# Allegro board BeagleBone_Green_v1.brd (continued)
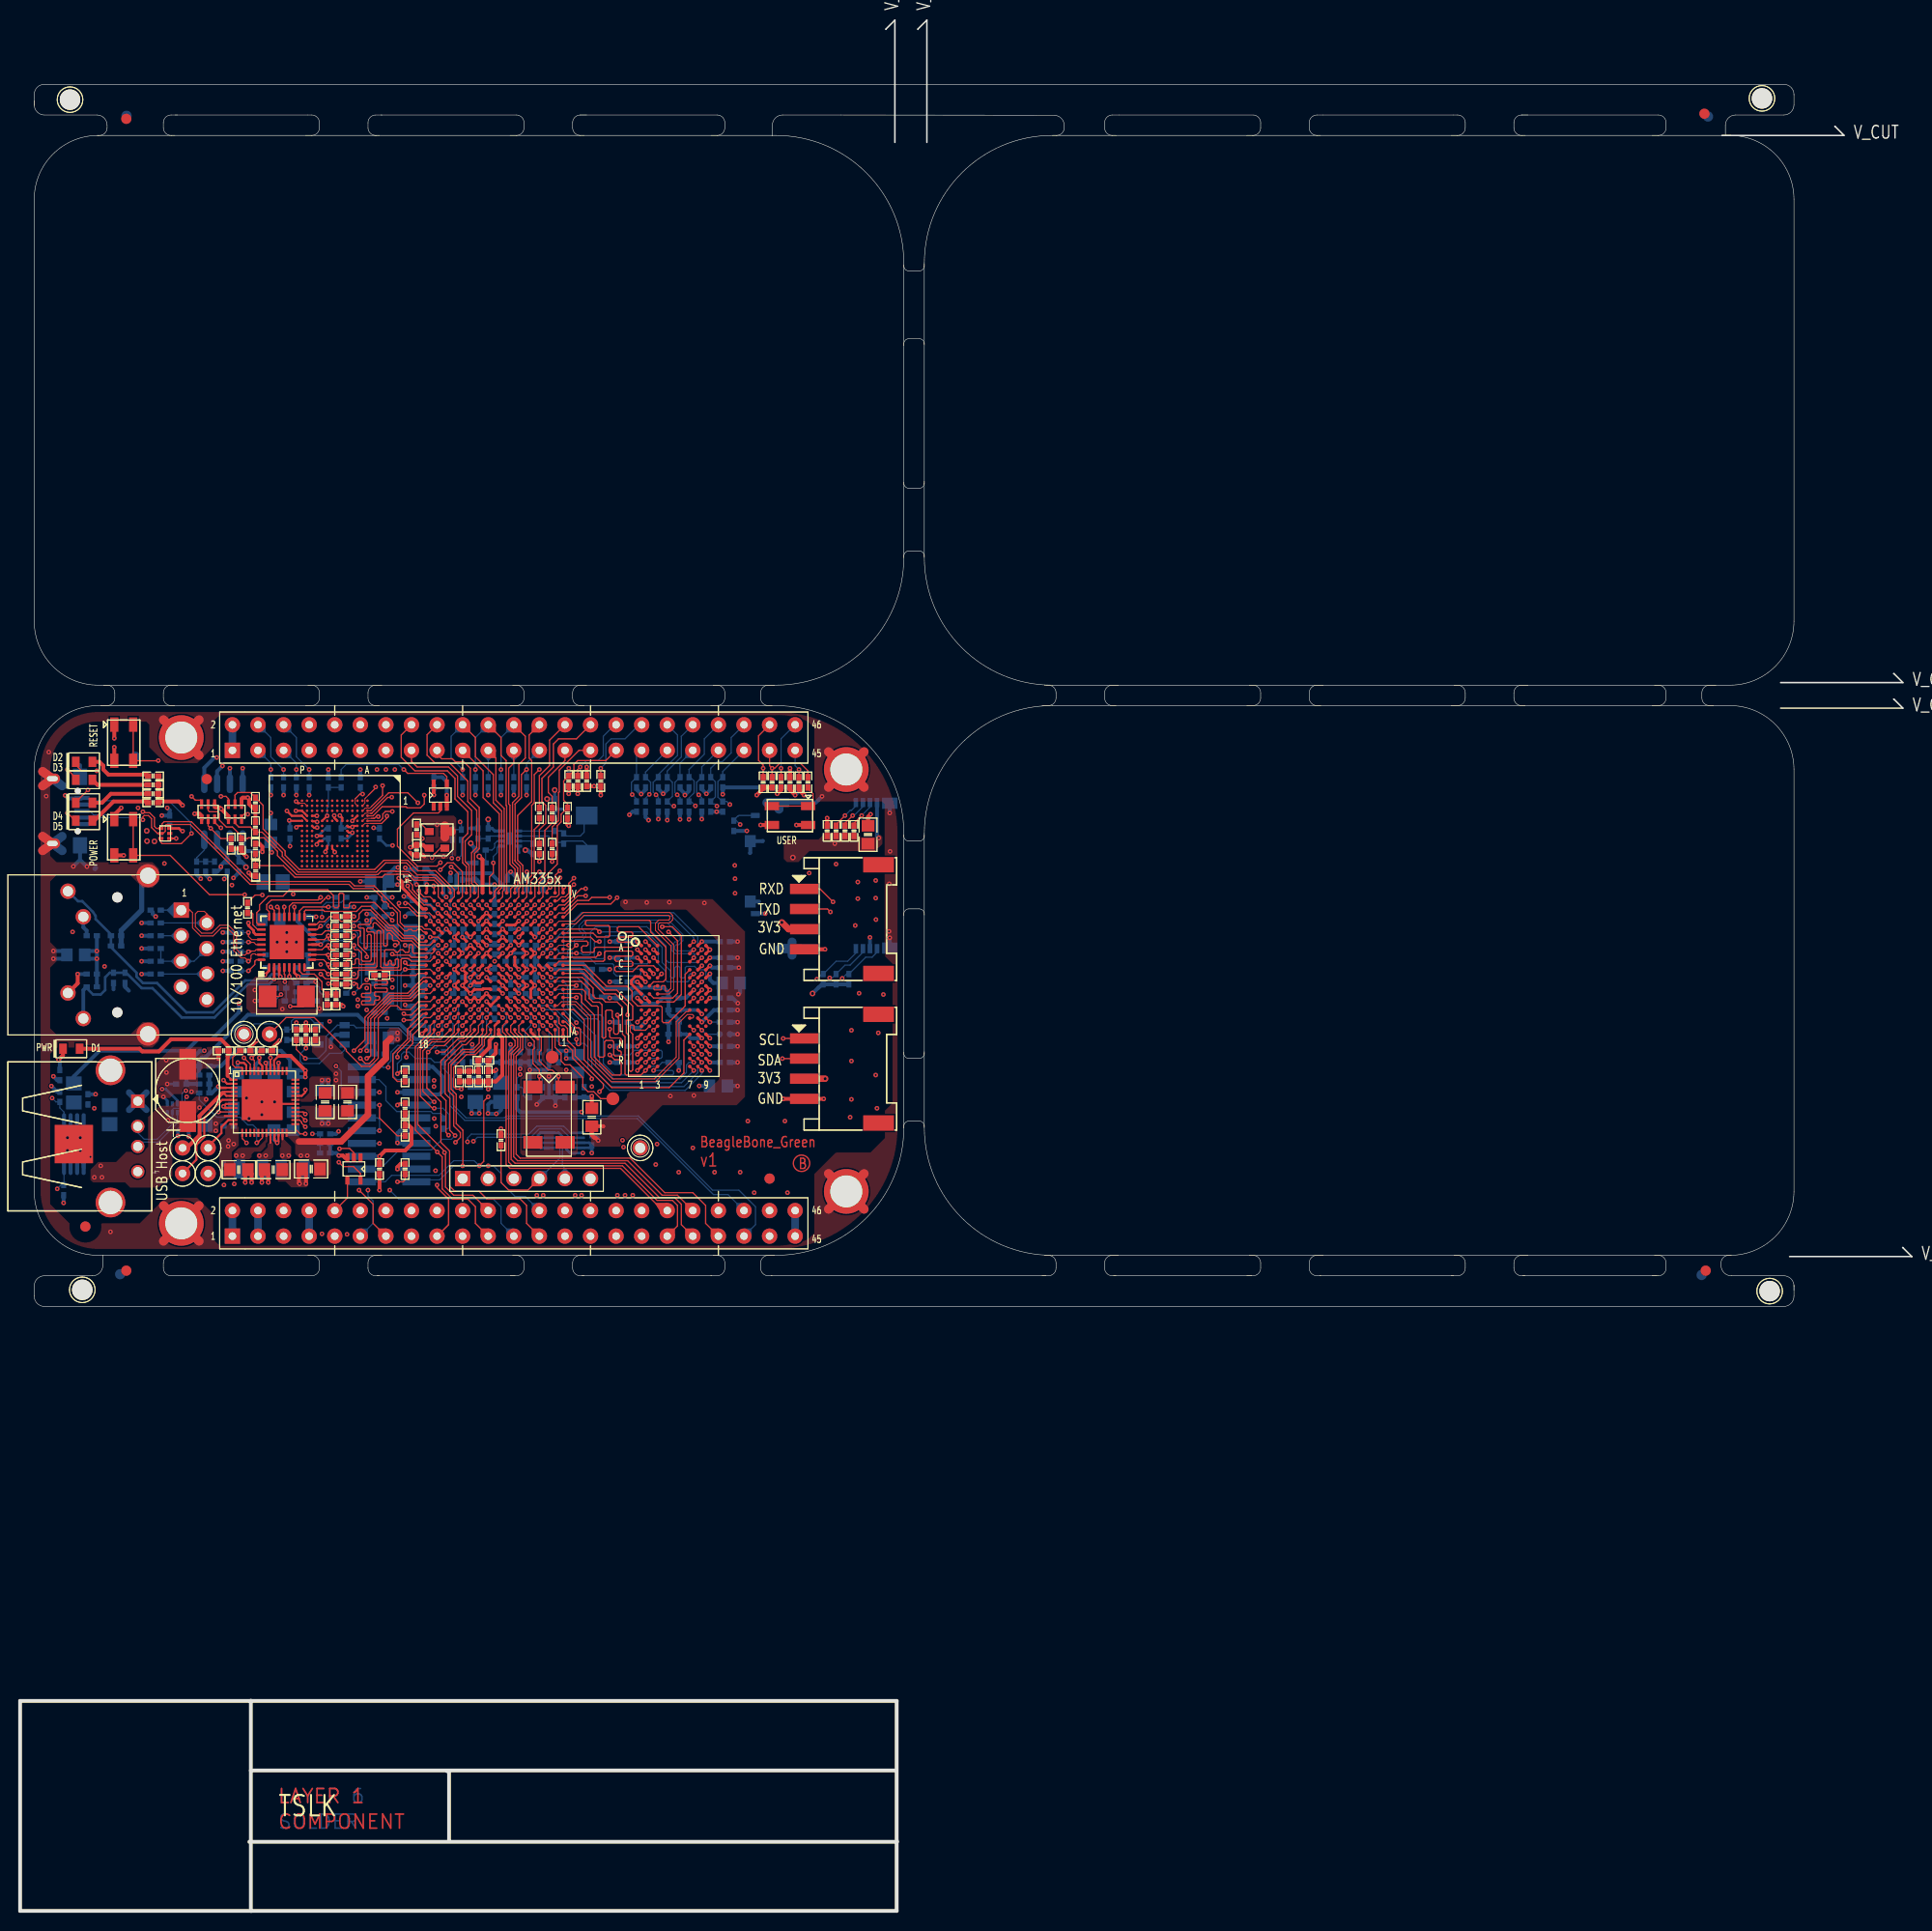
[diagram p0: board, top side]
## Routing (per net, layer and track width the routed paths; a pad name or vN(x,y) marks a point on that pad's centre or on a via; arc(x,y) is an arc through that point) (continued)
DDR_DQS0: length 23.3
  TOP w0.095: U5.P1 54.02,98.04 55.15,98.04 56.02,98.91 64.39,98.91 64.52,98.78 64.52,98.56 64.39,98.43 63.4,98.43 63.09,98.11 63.09,97.4 64.62,95.87 64.62,91.66 64.33,91.37 64.15,91.37 64.07,91.45 64.07,91.85 64,91.93 63.77,91.93 63.69,91.85 63.69,91.57 63.61,91.49 63.02,91.49 62.94,91.57 62.94,91.81 63.02,91.89 U12.F3
DDR_DQS1: length 20.3
  TOP w0.095: U5.L1 54.84,95.54 v1(55.24,95.94)
  TOP w0.121: v1(66.9,94.69) U12.C7
  BOTTOM w0.095: v1(66.9,94.69) 66.94,94.69 67.01,94.77 67.01,95.02 66.94,95.1 65.04,95.1 64.74,95.39 64.74,95.98 65.04,96.27 65.3,96.27 65.53,96.49 65.53,96.88 64.26,98.15 56.15,98.15 55.78,97.78 55.78,97.55 56.16,97.17 56.16,96.79 55.87,96.49 55.14,96.49 55.02,96.37 55.02,96.16 v1(55.24,95.94)
DDR_DQSN0: length 23.3
  TOP w0.095: U12.G3 64.45,91.09 64.9,91.54 64.9,95.99 63.37,97.52 63.37,98 63.52,98.15 64.5,98.15 64.8,98.44 64.8,98.9 64.5,99.19 55.91,99.19 55.04,98.32 53.5,98.32 U5.P2
DDR_DQSN1: length 20.3
  TOP w0.095: v1(54.48,95.94) 53.52,95.94 U5.L2
  TOP w0.121: v1(66.9,95.49) U12.B7
  BOTTOM w0.095: v1(66.9,95.49) 66.78,95.38 65.15,95.38 65.02,95.5 65.02,95.86 65.15,95.99 65.42,95.99 65.81,96.38 65.81,96.99 64.37,98.43 56.04,98.43 55.5,97.89 55.5,97.43 55.88,97.05 55.88,96.9 55.75,96.77 55.03,96.77 54.74,96.48 54.74,96.19 v1(54.48,95.94)
DDR_ODT: length 24.1
  TOP w0.121: v1(61.3,88.29) U12.K1 ; U5.G1 55.08,92.34 55.72,92.34 56.52,91.54 56.52,90.65 56.9,90.27 57.53,90.27 57.78,90.02 57.78,86.82 57.89,86.72 58.04,86.72 58.15,86.82 58.15,89.38 58.26,89.49 58.69,89.49 58.8,89.38 58.8,88.75 58.95,88.6 58.95,87.22 59.07,87.1 59.31,87.1 59.44,87.22 59.44,88.87 v1(59.31,89)
  LYR3 w0.133: v1(59.31,89) 59.31,89.51 59.05,89.76 59.05,90.14 59.18,90.27 59.56,90.27 59.82,90.02 59.82,88.62 59.69,88.49 59.44,88.49 59.31,88.37 59.31,88.11 59.44,87.99 60.32,87.99 60.63,88.29 v1(61.3,88.29)
DDR_RASN: length 24
  TOP w0.121: U5.G4 v1(51.92,91.94) ; v1(62.9,89.09) U12.J3
  LYR3 w0.121: 52.73,89.89 52.57,89.89 52.32,90.14 52.32,90.53 52.11,90.74 51.73,90.74 51.52,90.95 51.52,91.54 v1(51.92,91.94)
  LYR3 w0.133: 52.73,89.89 55.63,89.89 56.13,90.4 56.13,91.03 55.64,91.53 54.86,91.53 54.74,91.66 54.74,92.56 54.86,92.68 56.39,92.68 57.89,91.18 59.16,91.18 60.82,89.52 62.75,89.52 62.99,89.76 63.5,89.76 64.24,89.03 64.24,88.85 64.09,88.7 63.91,88.7 63.52,89.09 v1(62.9,89.09)
DDR_RESETN: length 20.7
  TOP w0.121: U12.T2 v1(62.1,83.49) 61.64,83.03 60.2,83.03 60.07,83.16 60.07,86.84 59.82,87.1 59.82,89.76 59.29,90.29 58.15,90.29 57.78,90.65 57.15,90.65 56.9,90.91 56.9,91.67 55.83,92.74 53.52,92.74 U5.G2
  BOTTOM w0.121: v1(62.1,83.49) U12.T2 63.35,83.89 63.75,84.29 R97.2
DDR_VREF: length 27.1
  TOP w0.305: v1(61.3,90.69) U12.H1 ; v1(51.92,93.54) U5.J4 ; v1(67.7,86.69) U12.M8
  BOTTOM w0.381: R98.2 63.79,90.69 63.22,90.12 61.87,90.12 v1(61.3,90.69) ; R98.2 C123.1 64.39,89.13 64.62,88.89 64.85,88.89 64.86,88.89 65.02,88.89 65.41,88.51 R100.1 C124.1 66.17,87.09 66.57,86.69 v1(67.7,86.69) ; R98.2 64.39,91.24 63.91,91.72 61.74,91.72 61.73,91.73 60.87,91.73 60.76,91.62 57.71,91.62 56.77,92.56 C28.1 56.43,93.54 55.88,94.08 52.46,94.08 v1(51.92,93.54)
DDR_VTP: length 6.7
  TOP w0.305: v1(52.72,93.54) U5.J3
  BOTTOM w0.381: v1(52.72,93.54) 55.54,93.54 56.26,92.81 56.26,91.29 R22.2
DDR_WEN: length 23.9
  TOP w0.121: v1(62.9,87.49) U12.L3 ; v1(56.77,82.65) 56.77,82.8 54.86,84.71 54.86,85.45 54.36,85.95 53.64,85.95 53.51,86.08 53.51,87.7 53.12,88.1 U5.B2
  LYR3 w0.133: v1(62.9,87.49) 63.27,87.86 63.88,87.86 64.9,86.84 64.9,86.08 64.52,85.7 64.52,82.4 63.63,81.51 58.17,81.51 57.03,82.65 56.78,82.65 v1(56.77,82.65)
EHRPWM1A: length 42.1
  TOP w0.121: U5.U14 43.92,100.74 43.92,103.23 43.03,104.11 42.42,104.11 v1(41.73,103.43)
  LYR4 w0.133: v1(41.73,103.43) 41.73,101.78 38.63,98.68 38.63,93.37 37.46,92.19 37.46,91.41 36.95,90.91 36.95,88.37 36.82,88.24 36.82,84.18 36.96,84.05 36.96,74.9 36.3,74.24 36.3,69.6 P9.14
EHRPWM1B: length 36.3
  TOP w0.121: v1(43.12,99.94) U5.T14
  LYR4 w0.133: v1(43.12,99.94) 43.12,100.49 42.48,101.12 42.04,101.12 39.37,98.45 39.37,92.3 37.69,90.63 37.69,88.01 37.88,87.82 37.88,84.52 38.35,84.05 38.35,70.08 P9.16
EHRPWM2A: length 16.8
  TOP w0.121: P8.19 45.97,113.26 45.97,110.59 47.57,108.99 47.57,101.75 47.36,101.53 47.35,101.53 47.12,101.3 47.12,101.2 47.12,101.19 47.12,100.74 U5.U10
EHRPWM2B: length 28.2
  TOP w0.121: v1(46.32,99.94) U5.T10
  LYR3 w0.133: v1(46.32,99.94) 45.78,100.48 45.78,103.68 44.98,104.47 44.98,104.78 44.1,105.67 44.1,106.18 44.7,106.78 44.7,108.18 43.69,109.19 40,109.19 38.66,107.85 35.85,107.85 34.9,108.8 34.9,113.87 P8.13
EMMC_RSTN: length 4.8
  TOP w0.203: U13.K5 v1(30.49,108.79)
  BOTTOM w0.121: R162.2 R111.2 30.61,109.69 30.49,109.58 v1(30.49,108.79)
EMMC_VCCI: length 2.5
  TOP w0.076: 33.27,110.47 33.24,110.45 33.24,110.03 U13.C2
  TOP w0.121: v1(34.01,110.95) 33.74,110.95 33.27,110.47
  BOTTOM w0.121: v1(34.01,110.95) 34.01,111.02 33.78,111.25 C125.1
ENZ_KALDO_1P8V: length 3.4
  TOP w0.121: U5.B4 v1(51.92,87.93)
  BOTTOM w0.121: R54.2 52.51,87.34 v1(51.92,87.93)
ETH_TXD4: length 4.4
  TOP w0.121: U14.18 27.73,99.33 28.13,99.73 v1(30.61,99.73)
  BOTTOM w0.121: R145.1 v1(30.61,99.73)
GPIO0_7: length 45.9
  TOP w0.121: R50.1 37.72,83.41 v1(37.46,83.16)
  BOTTOM w0.121: v1(37.46,83.16) 37.46,84.18 37.86,84.58 37.86,85.08 38.1,85.32 38.61,85.32 39.24,84.68 40.77,84.68 41.15,84.3 R51.1 42.04,83.67 42.67,83.03 42.67,80.01 44.15,78.53 48.2,78.53 48.39,78.71 61.29,78.71 68.85,71.16 70.29,71.16 P9.42
GPIO0_7SRC: length 9.2
  TOP w0.121: U5.C18 40.01,89.14 38.48,87.6 38.48,86.59 37.01,85.12 37.01,82.85 37.46,82.4 R50.2
GPIO0_26: length 30.5
  TOP w0.121: v1(45.52,99.94) U5.T11
  LYR3 w0.133: P8.14 35.05,116.56 35.05,115.21 34.66,114.82 34.66,108.9 34.66,108.7 35.75,107.61 38.76,107.61 39.96,108.81 43.69,108.81 44.45,108.05 44.45,107.04 43.81,106.39 43.81,105.63 44.63,104.81 44.63,104.44 45.52,103.56 v1(45.52,99.94)
GPIO0_27: length 18.3
  TOP w0.121: P8.17 41.4,114.91 41.86,114.45 42.93,114.45 43.23,114.15 44.07,114.15 44.7,113.51 44.7,110.5 45.59,109.61 45.59,105.51 45.12,105.04 45.12,102.24 45.51,101.84 45.51,100.73 U5.U12
GPIO1_12: length 30.2
  TOP w0.121: v1(44.72,99.94) U5.T12
  LYR3 w0.133: P8.12 32.83,116.87 32.83,109.67 33.66,108.84 33.66,108.14 34.84,106.95 35.37,106.95 35.55,107.13 39.12,107.13 40.29,108.31 42.55,108.31 43.28,107.57 43.28,105.49 43.89,104.88 43.89,104.09 44.72,103.26 v1(44.72,99.94)
GPIO1_13: length 28.5
  TOP w0.121: v1(44.72,99.14) U5.R12
  LYR3 w0.121: v1(44.72,99.14) 45.16,99.58 45.16,99.73 45.12,99.77 45.12,100.1 45.16,100.15 45.16,103.4
  LYR3 w0.133: 45.16,103.4 44.37,104.19 44.37,104.73 43.56,105.54 43.56,107.67 42.67,108.56 40.13,108.56 38.94,107.37 35.45,107.37 35.27,107.19 34.93,107.19 34.09,108.04 34.09,108.92 33.38,109.63 33.38,114.88 P8.11
GPIO1_14: length 22.1
  TOP w0.121: P8.16 37.85,116.81 37.85,114.6 39.19,113.26 42.42,113.26 43.18,112.5 43.18,110.46 44.45,109.19 44.45,107.04 43.94,106.53 43.94,104.11 44.32,103.74 44.32,101.48 U5.V13
GPIO1_15: length 19.9
  TOP w0.121: U5.U13 44.72,100.74 44.72,100.9 44.72,101.69 44.58,101.83 44.58,103.86 44.2,104.24 44.2,106.27 44.83,106.91 44.83,109.32 43.43,110.72 43.43,112.75 42.55,113.63 39.43,113.63 38.86,114.2 P8.15
GPIO1_16: length 55
  LYR4 w0.133: v1(43.69,108.18) 43.43,108.43 40.64,108.43 37.59,105.38 37.59,104.88 34.92,102.21 34.92,89.2 32.64,86.92 32.64,84.58 33.15,84.07 33.15,72.49 32.64,71.98 32.64,69.19 33.66,68.17 37.72,68.17 P9.15
  BOTTOM w0.133: R161.2 R160.2 43.81,108.05 v1(43.69,108.18)
GPIO1_17: length 53.4
  TOP w0.121: U5.V14 43.52,103.04 42.85,103.71 v1(42.8,103.71)
  LYR4 w0.133: v1(36.7,71.6) 36.7,73.94 37.87,75.11 37.87,83.62 37.06,84.43 37.06,88.09 37.21,88.24 37.21,90.8 37.69,91.29 37.69,92.1 39.1,93.5 39.1,98.69 42.09,101.68 42.09,103.04 42.76,103.71 v1(42.8,103.71)
  BOTTOM w0.121: v1(36.7,71.6) 37.59,70.71 46.99,70.71 47.75,69.95 47.75,68.3 P9.23
GPIO1_28: length 38.6
  TOP w0.121: U5.U18 40.05,100.34 39.16,101.23 39.16,101.27 38.97,101.46 38.97,101.9 38.41,102.46 v1(38.4,102.46)
  LYR4 w0.133: P9.12 33.78,70.71 34.06,70.99 34.06,81.53 35.43,82.91 35.43,88.37 35.69,88.62 35.69,100.69 36.54,101.54 37.71,101.54 37.92,101.75 37.92,102.03 38.35,102.46 v1(38.4,102.46)
GPIO1_29: length 18
  TOP w0.121: U5.V6 49.92,103.85 49.4,104.37 49.4,108.81 50.8,110.21 50.8,114.27 50.55,114.53 50.55,116.81 P8.26
GPIO2_1: length 20.3
  TOP w0.121: P8.18 40.41,116.84 40.41,114.81 41.15,114.07 42.62,114.07 44.45,112.24 44.45,110.21 45.34,109.32 45.34,105.64 44.83,105.13 44.83,102.08 45.12,101.8 U5.V12
GPIO3_18: length 5.9
  TOP w0.121: U5.B12 44.71,87.93 44.71,87.36 44,86.64 43.49,86.64 42.16,85.32 v1(41.4,85.32)
  BOTTOM w0.121: v1(41.4,85.32) R51.2
GPIO3_19: length 28.2
  TOP w0.121: v1(43.92,88.73) U5.C13
  LYR4 w0.133: P9.27 52.96,68.17 50.93,68.17 50.16,68.94 50.16,70.05 47.88,72.34 47.88,74.22 46.58,75.51 46.58,76.86 44.32,79.12 44.32,81.94 43.78,82.49 43.78,86.27 43.25,86.8 43.25,88.07 v1(43.92,88.73)
GPIO3_20: length 5.9
  TOP w0.121: U5.D13 v1(43.92,90.34)
  BOTTOM w0.121: v1(43.92,90.34) 43.52,89.94 43.52,86.51 43.94,86.08 R20.2
GPIO3_21: length 58.4
  TOP w0.121: U5.A14 43.52,87.34 42.13,85.95 41.15,85.95 v1(40.51,85.32) 40.39,85.19 40.39,81.76 41.78,80.37 41.78,76.35 42.65,75.49 42.65,72.01 43.18,71.48 45.59,71.48 46.33,70.74 49.63,70.74 50.29,70.08 50.29,68.3 P9.25 ; 39.37,106.91 39.75,106.53 v1(39.95,106.53)
  LYR3 w0.133: v1(36.45,88.67) 36.45,86.72 37.08,86.08 39.37,86.08 40.13,85.32 v1(40.51,85.32)
  LYR4 w0.133: v1(39.95,106.53) 39.88,106.46 39.88,101.7 40.13,101.45 40.13,100.94 38.73,99.54 36.7,99.54 36.45,99.29 v1(36.45,88.67)
GRN_C: length 2
  BOTTOM w0.381: P5.10 6.27,97.71 6.6,97.38 R132.2
GRNA: length 30
  TOP w0.121: 25.73,92.93 v1(25.84,92.81)
  TOP w0.254: U14.3 25.73,92.93
  BOTTOM w0.254: P5.9 5.74,100.3 6.16,100.3 7.23,99.24 7.49,98.84 7.49,98.53 9.02,97 C163.1 C165.1 9.02,95.73 11.56,93.19 11.56,92.81 12.19,92.18 13.59,92.18 16.51,89.26 19.18,89.26 22.35,92.43 24.51,92.43 24.77,92.69 24.77,92.82 25.02,93.07 25.59,93.07 v1(25.84,92.81)
HDMI_INT: length 22.1
  TOP w0.121: R169.1 23.37,103.86 R170.1 26.14,103.84 27.28,102.69 35.94,102.69 36.22,102.97 37.41,102.97 37.43,102.99 37.76,102.99 37.78,102.97 38.51,102.97 39.09,102.39 41.1,102.39 41.52,101.96 41.52,100.73 U5.U16
HDMICLK_DISN: length 5.3
  TOP w0.121: v1(40.89,104.62) 40.89,104.75 41.14,105 41.16,105 41.74,105.58 Y4.1 ; v1(41.05,101.83) 41.12,101.76 U5.V17
  LYR3 w0.133: v1(41.05,101.83) 40.89,101.98 v1(40.89,104.62)
I2C0_SCL: length 27.9
  TOP w0.121: v1(28.32,79.16) 28.11,79.37 U2.28 ; R3.2 27.43,85.57 v1(28.32,84.68) ; v1(41.52,88.73) U5.C16
  LYR4 w0.133: v1(28.32,79.16) 28.96,79.79 28.96,84.05 v1(28.32,84.68)
  BOTTOM w0.121: v1(28.32,84.68) 29.59,84.68 30.38,85.47 30.38,86.87 31.5,87.99 U7.1 33.12,87.99 33.38,87.73 37.57,87.73 39.07,86.23 40.53,86.23 41.12,86.81 41.12,88.34 v1(41.52,88.73)
I2C0_SDA: length 33.2
  TOP w0.121: U5.C17 40.72,88.74 40.12,88.74 38.73,87.35 38.73,86.54 38.73,86.53 38.73,86.49 37.46,85.22 v1(37.46,84.81) ; U2.27 27.88,78.97 v1(28.32,78.52) ; R4.2 v1(28.38,85.7)
  LYR3 w0.133: v1(37.46,84.81) 36.2,84.81 34.67,86.33 29.02,86.33 v1(28.38,85.7)
  LYR4 w0.133: v1(28.38,85.7) 29.21,84.87 29.21,79.41 v1(28.32,78.52)
  BOTTOM w0.121: v1(28.38,85.7) 27.81,85.13 27.81,84.43 28.07,84.18 29.72,84.18 30.73,85.19 31.88,85.19 32.22,85.53 U7.3
I2C1_SCL: length 25.2
  TOP w0.121: U5.A16 v1(41.52,87.13)
  TOP w0.133: v1(41.4,72.11) 41.4,71.86 42.55,70.71 42.55,68.17 P9.17
  LYR4 w0.133: v1(41.4,72.11) 44.7,75.41 44.87,75.41 45.65,76.19 45.65,76.8 43.27,79.18 43.27,79.98 42.63,80.62 42.63,85.87 41.52,86.98 v1(41.52,87.13)
I2C1_SDA: length 23.1
  TOP w0.121: U5.B16 v1(41.52,87.93)
  LYR4 w0.133: v1(41.52,87.93) 41.11,87.53 41.11,86.95 42.39,85.67 42.39,80.52 43.03,79.88 43.03,79.08 45.41,76.7 45.41,76.29 44.8,75.67 44.38,75.67 41,72.28 41,69.98 P9.18
I2C2_SCL: length 73.5
  TOP w0.121: U5.D17 40.72,89.54 39.9,89.54 38.86,88.49 v1(38.1,88.49) ; J4.1 v1(75.77,86.67)
  LYR3 w0.133: v1(75.77,86.67) 75.18,86.08 75.18,83.98 69.69,78.49 57.66,78.49 54.71,75.54 49,75.54 45.82,78.71 v1(41.12,78.71)
  LYR4 w0.133: v1(38.1,88.49) 38.5,88.09 38.5,85.83 38.86,85.47 38.86,80.98 v1(41.12,78.71) 40.02,77.62 40.02,68.97 40.82,68.17 42.8,68.17 P9.19
I2C2_SDA: length 71.1
  TOP w0.121: U5.D18 39.8,89.94 38.86,89 38.23,89 v1(38.1,89.13) ; J4.2 v1(75.69,84.67)
  LYR3 w0.133: v1(75.69,84.67) 75.69,84.16 69.74,78.21 57.78,78.21 54.88,75.3 48.83,75.3 45.92,78.21 41.53,78.21 v1(41.27,77.95)
  LYR4 w0.133: v1(38.1,89.13) 38.73,88.49 38.73,86.06 39.14,85.65 39.14,81.14 41.06,79.22 41.19,79.22 41.55,78.86 41.55,78.22 v1(41.27,77.95) 40.26,76.94 40.26,69.06 40.77,68.55 42.93,68.55 P9.20
JTAG_EMU0: length 23.6
  TOP w0.121: v1(35.69,80.05) 35.69,78.77 37.45,77 R23.2 ; v1(43.12,88.73) U5.C14
  LYR3 w0.133: v1(35.69,80.05) 36.26,80.62 39.75,80.62 40,80.87 v1(43.81,80.87)
  LYR4 w0.133: v1(43.81,80.87) 43.37,81.32 43.37,86.22 43.36,86.24 43.36,86.31 42.99,86.68 42.99,88.24 43.12,88.36 v1(43.12,88.73)
  BOTTOM w0.121: P2.13 v1(35.69,80.05)
JTAG_EMU1: length 15.3
  TOP w0.121: U5.B14 43.12,87.94 43.12,87.29 42.16,86.33 40.89,86.33 39.99,85.43 39.99,81.43 41.05,80.37 v1(41.12,80.37) ; v1(37.46,80.05) 37.66,80.24 R24.2
  BOTTOM w0.121: v1(37.46,80.05) P2.14 40.58,80.05 40.89,80.37 v1(41.12,80.37)
JTAG_TCK: length 24.1
  TOP w0.121: U5.A12 45.12,87.38 44.8,87.07 44.8,87.07 44.13,86.39 43.75,86.39 41.78,84.43 41.78,81 42.29,80.49 42.29,77.32 v1(42.55,77.06)
  LYR3 w0.133: v1(35.69,77.51) 42.1,77.51 v1(42.55,77.06)
  BOTTOM w0.121: P2.9 v1(35.69,77.51) 35.69,78.59 35.5,78.78 P2.11
JTAG_TDI: length 24.1
  TOP w0.121: v1(43.19,77.03) 42.67,77.55 42.67,80.71 42.2,81.19 42.2,84.34 43.91,86.05 44.27,86.05 45.52,87.29 45.52,87.94 U5.B11
  BOTTOM w0.121: v1(43.19,77.03) 42.81,76.65 41.9,76.65 40.86,75.6 37.66,75.6 35.75,73.7 P2.3
JTAG_TDO: length 23.7
  TOP w0.121: U5.A11 45.92,87.17 45.59,86.84 45.59,86.21 44.96,85.57 43.94,85.57 43.94,85.57 42.55,84.18 42.55,81.44 43.05,80.94 43.05,77.98 43.71,77.32 43.71,76.84 v1(43.23,76.35)
  LYR3 w0.133: v1(43.23,76.35) 42.21,76.35 41.58,76.99 36.44,76.99 v1(35.69,76.24)
  BOTTOM w0.121: P2.7 v1(35.69,76.24)
JTAG_TMS: length 28.8
  TOP w0.121: v1(45.59,74.02) 46.04,74.46 46.04,80.43 v1(46.48,80.87) ; U5.C11 v1(45.52,88.73)
  LYR4 w0.133: v1(45.52,88.73) 45.52,87 45.78,86.73 45.78,81.57 v1(46.48,80.87)
  BOTTOM w0.121: P2.1 36.26,72.43 36.89,73.06 41.59,73.06 43.05,74.52 45.09,74.52 v1(45.59,74.02)
JTAG_TRSTN: length 25.6
  TOP w0.121: R25.1 38.23,72.62 38.04,72.43 v1(37.46,72.43) ; U5.B10 46.32,87.94 46.32,87.19 45.85,86.72 45.85,86.08 45.09,85.32 44.07,85.32 42.8,84.05 42.8,81.64 43.31,81.13 43.31,78.21 43.97,77.55 43.97,74.04 v1(43.94,74.02)
  BOTTOM w0.121: v1(43.94,74.02) 43.05,74.02 41.66,72.62 40.51,72.62 40.32,72.43 P2.2 v1(37.46,72.43)
LCD_DATA0: length 33.1
  TOP w0.121: R95.1 v1(77.34,113.39) ; U5.R1 54.03,98.74 55.32,100.03 58.65,100.03 v1(59.28,100.66)
  LYR3 w0.133: v1(77.34,113.39) 75.82,111.86 75.31,111.86 72.11,108.66 71.66,108.66 68.23,105.23 63.85,105.23 v1(59.28,100.66)
  BOTTOM w0.121: R95.1 v1(77.34,113.39) 76.96,113.77 P8.45
LCD_DATA1: length 35.7
  TOP w0.121: R94.1 v1(75.57,113.51) ; U5.R2 53.12,98.75 53.5,99.14 54.08,99.14 54.08,99.14 54.31,99.37 54.31,99.37 55.32,100.38 56.46,100.38 56.77,100.69 v1(58.55,100.69)
  LYR3 w0.133: v1(58.55,100.69) 63.51,105.65 68.32,105.65 72.59,109.92 72.81,109.92 75.57,112.68 v1(75.57,113.51)
  BOTTOM w0.121: R94.1 v1(75.57,113.51) 75.57,116.43 P8.46
LCD_DATA2: length 37
  TOP w0.121: R75.1 78.23,113.26 77.47,114.02 75.44,114.02 74.93,113.51 v1(74.68,113.51) ; v1(74.68,113.51) 74.42,113.77 P8.43 ; v1(74.68,113.51) R93.1 ; v1(52.72,99.14) U5.R3
  LYR3 w0.133: v1(74.68,113.51) 72.59,111.43 72.59,111.11 67.51,106.02 63.25,106.02 57.35,100.13 53.84,100.13 52.99,99.28 52.98,99.28 52.83,99.14 v1(52.72,99.14)
  BOTTOM w0.121: R93.1 v1(74.68,113.51)
LCD_DATA3: length 35.6
  TOP w0.121: R92.1 v1(73.79,113.51) 73.79,113.83 73.33,114.29 73.33,116.74 P8.44 ; v1(51.92,99.14) U5.R4
  LYR3 w0.133: v1(51.92,99.14) 52.32,99.54 52.88,99.54 53.75,100.41 57.3,100.41 63.17,106.27 67.43,106.27 71.95,110.79 71.95,111.67 v1(73.79,113.51)
  BOTTOM w0.121: R92.1 v1(73.79,113.51)
LCD_DATA4: length 28.1
  TOP w0.121: U5.T1 54.07,99.54 55.37,100.84 v1(56.16,100.84)
  LYR3 w0.133: v1(56.16,100.84) 57.3,100.84 63.12,106.65 67.23,106.65 v1(70.48,109.91)
  BOTTOM w0.121: v1(70.48,109.91) 70.18,110.21 R91.1 69.72,110.21 69.29,110.64 69.29,112.19 69.72,112.62 R66.2 69.77,113.18 P8.41
LCD_DATA5: length 31.1
  TOP w0.121: U5.T2 53.51,99.93 54.09,99.93 55.7,101.55 v1(56.16,101.55)
  LYR3 w0.133: v1(69.19,109.75) 69.15,109.75 68.61,109.21 68.61,108.8 66.72,106.91 62.99,106.91 57.63,101.55 v1(56.16,101.55)
  BOTTOM w0.121: v1(69.19,109.75) 68.99,109.96 68.71,109.96 68.58,110.08 R90.1 69.04,110.67 69.04,112.17 R65.2 68.58,113.51 69.22,114.15 69.72,114.15 70.61,115.04 70.61,116.56 P8.42
LCD_DATA6: length 27.3
  TOP w0.121: v1(52.68,99.95) 52.68,99.9 U5.T3
  LYR3 w0.133: v1(52.68,99.95) 53.59,100.86 54.91,100.86 55.75,101.7 55.75,101.72 55.99,101.96 57.66,101.96 62.99,107.29 65.85,107.29 67.46,108.9 67.46,110.8 v1(67.39,110.87)
  BOTTOM w0.121: P8.39 67.69,113.64 R64.2 67.18,112.12 67.18,111.07 v1(67.39,110.87) 67.69,110.57 R89.1
LCD_DATA7: length 30.3
  TOP w0.121: v1(51.92,99.94) U5.T4
  LYR3 w0.133: v1(67.06,109.78) 65.94,108.66 65.94,107.95 65.53,107.54 62.87,107.54 57.59,102.27 55.94,102.27 54.86,101.19 53.17,101.19 v1(51.92,99.94)
  BOTTOM w0.121: v1(67.06,109.78) 66.62,110.21 R88.1 66.42,110.57 66.93,111.07 66.93,112.24 66.55,112.62 R63.2 66.42,113.39 67.95,114.91 67.95,116.43 P8.40
LCD_DATA8: length 23.7
  TOP w0.121: v1(54.99,101.96) 54.74,101.7 54.74,100.97 54.11,100.34 U5.U1
  LYR3 w0.133: v1(65.25,110.87) 65.33,110.8 65.33,109.59 65.02,109.28 65.02,108.05 64.77,107.8 62.74,107.8 57.48,102.54 55.88,102.54 55.29,101.96 v1(54.99,101.96)
  BOTTOM w0.121: P8.37 65.53,114.02 R62.2 65.02,112.12 65.02,111.1 v1(65.25,110.87) 65.53,110.59 R87.1
LCD_DATA9: length 26.9
  TOP w0.121: U5.U2 53.36,100.34 53.75,100.73 54.12,100.73 54.48,101.09 54.48,102.08 v1(54.99,102.59)
  LYR3 w0.133: v1(64.92,109.75) 64.4,109.23 62.71,109.23 62,108.52 62,107.44 57.4,102.84 55.63,102.84 55.37,102.59 v1(54.99,102.59)
  BOTTOM w0.121: P8.38 65.66,116.69 65.66,114.63 64.26,113.23 R61.2 64.77,112.12 64.77,110.72 R86.1 64.72,109.75 v1(64.92,109.75)
LCD_DATA10: length 26.5
  TOP w0.121: U5.U3 52.72,100.74 53.28,100.74 53.51,100.97 53.51,102.54 v1(53.62,102.64)
  LYR3 w0.133: v1(63.14,110.87) 61.72,109.45 61.72,107.54 57.29,103.11 54.09,103.11 v1(53.62,102.64)
  BOTTOM w0.121: R85.1 63.37,110.64 v1(63.14,110.87) 62.87,111.15 62.87,112.12 R60.2 63.37,112.88 65.28,114.78 65.28,116.81 P8.36
LCD_DATA11: length 25
  TOP w0.121: v1(57.66,113.51) R84.1 ; v1(52.58,102.34) 51.92,101.68 51.92,100.74 U5.U4
  LYR3 w0.133: v1(57.66,113.51) 57.02,112.88 55.63,112.88 53.26,110.52 53.26,104.09 52.81,103.63 52.81,102.57 v1(52.58,102.34)
  BOTTOM w0.121: R84.1 v1(57.66,113.51) 58.17,114.02 58.17,115.93 58.67,116.43 60.07,116.43 61.47,117.83 P8.34
LCD_DATA12: length 24.3
  TOP w0.121: U5.V2 53.12,102.85 v1(53.59,103.33)
  LYR3 w0.133: v1(62.48,110.92) 61.85,110.29 60.55,110.29 60.35,110.08 54.48,110.08 53.99,109.59 53.99,103.72 v1(53.59,103.33)
  BOTTOM w0.121: P8.35 62.1,113.13 R58.2 62.61,112.12 62.61,111.05 v1(62.48,110.92) 62.1,110.54 R83.1
LCD_DATA13: length 22.5
  TOP w0.121: U5.V3 52.32,101.36 v1(52.63,101.68)
  LYR3 w0.133: v1(60.78,110.9) 60.4,110.9 59.84,110.34 54.23,110.34 53.52,109.63 53.52,103.86 53.14,103.48 53.14,102.18 v1(52.63,101.68)
  BOTTOM w0.121: P8.33 61.21,114.78 R57.2 60.71,112.12 60.71,110.97 v1(60.78,110.9) 61.21,110.46 R82.1
LCD_DATA14: length 19.3
  TOP w0.121: U5.V4 51.52,102.16 53.34,103.99 53.34,107.8 53.72,108.18 53.72,108.94 R81.1 54.36,109.96 53.98,110.34 53.98,112.24 R56.2 54.99,113.26 54.99,113.89 55.37,114.27 58.17,114.27 P8.31
LCD_DATA15: length 24.4
  TOP w0.121: v1(55.63,113.64) 55.37,113.39 R80.1 ; v1(51.12,99.94) U5.T5
  LYR3 w0.133: v1(55.63,113.64) 55.63,113.21 53.03,110.61 53.03,109.26 52.2,108.43 52.2,102.97 51.12,101.89 v1(51.12,99.94)
  BOTTOM w0.121: R55.2 v1(55.63,113.64) 56.26,114.27 57.4,114.27 57.91,114.78 57.91,116.69 59.05,117.83 P8.32
LCD_DE: length 15.3
  TOP w0.121: 56.64,117.83 55.24,116.43 53.47,116.43 52.96,115.93 52.96,113.64 51.82,112.5 51.82,110.21 52.2,109.83 52.2,108.05 51.56,107.42 R48.2
LCD_HSYNC: length 11.5
  TOP w0.121: R47.2 52.83,107.67 53.47,108.31 53.47,111.1 53.54,111.17 53.54,113.33 55.5,115.29 56.64,115.29
LCD_PCLK: length 9.3
  TOP w0.121: R45.2 51.56,112.78 52.58,113.79 52.58,116.31 P8.28
LCD_VSYNC: length 6.6
  TOP w0.121: R46.2 52.83,110.72 52.45,111.1 52.45,112.62 54.1,114.27 P8.27
LCDDE: length 6.9
  TOP w0.121: R48.1 v1(51.56,104.24) ; v1(50.32,99.14) U5.R6
  LYR3 w0.121: v1(50.32,99.14) 50.72,99.54 50.72,100.3
  LYR3 w0.133: 50.72,100.3 50.72,102.76 50.8,102.84 50.8,103.48 v1(51.56,104.24)
LCDPCLK: length 7.8
  TOP w0.121: U5.V5 50.72,102.34 51.05,102.67 51.05,107.42 51.56,107.92 R45.1
LCDVHYNC: length 7.1
  TOP w0.121: v1(51.12,99.14) U5.R5 ; v1(52.83,104.24) R47.1
  LYR3 w0.121: v1(51.12,99.14) 51.52,99.54 51.52,100.26
  LYR3 w0.133: v1(52.83,104.24) 52.48,103.89 52.48,102.87 51.52,101.91 51.52,100.26
LCDVSYNC: length 9.1
  TOP w0.121: R46.1 52.83,108.05 52.11,107.33 52.11,103.14 51.12,102.15 51.12,100.74 U5.U5
LDO_PGOOD: length 35.6
  TOP w0.121: U2.46 22.86,84.12 v1(22.22,84.75) ; U5.B5 v1(51.12,87.93)
  LYR3 w0.133: v1(51.12,87.93) 51.12,85.64 50.8,85.32 48.74,85.32 47.75,84.33 39.57,84.33 38.68,85.22 36.3,85.22 34.92,86.59 28.45,86.59 27.3,85.45 22.92,85.45 v1(22.22,84.75)
LEDAA: length 6.3
  TOP w0.381: D2.2 7.87,114.15 8.25,113.77 8.25,113.39 8.76,112.88 12.57,112.88 R72.2
LEDAC: length 17.4
  TOP w0.121: Q1.6 20.69,110.48 20.45,110.72 v1(19.94,110.72) ; v1(7.62,113.26) 6.1,113.26 5.52,113.83 D2.1
  LYR3 w0.133: v1(7.62,113.26) 8.25,112.62 18.03,112.62 v1(19.94,110.72)
LEDBA: length 5.7
  TOP w0.381: D3.2 7.68,111.86 R73.2
LEDBC: length 22.1
  TOP w0.121: v1(22.61,108.94) 22.22,108.94 21.99,108.7 Q1.3 ; D3.1 5.52,112.56 v1(4.7,113.39)
  LYR3 w0.133: v1(4.7,113.39) 5.84,112.24 16.51,112.24 19.81,108.94 v1(22.61,108.94)
LEDCA: length 5.9
  TOP w0.381: R74.2 9.02,110.97 8.13,110.08 D4.2
LEDCC: length 13.8
  TOP w0.121: D4.1 5.52,110.15 v1(6.73,111.35) ; v1(17.02,110.72) 17.4,110.34 17.91,110.34 18.02,110.23 Q2.6
  LYR3 w0.133: v1(6.73,111.35) 16.38,111.35 v1(17.02,110.72)
LEDDA: length 6.4
  TOP w0.381: D5.2 7.37,108.31 9.27,110.21 12.57,110.21 R71.2
LEDDC: length 19.1
  TOP w0.121: D5.1 5.46,108.31 v1(4.7,109.07) ; v1(19.94,107.59) 19.86,107.59 19.32,108.14 Q2.3
  LYR3 w0.133: v1(4.7,109.07) 5.87,110.24 17.3,110.24 v1(19.94,107.59)
MDIO_CLK: length 14.5
  TOP w0.121: U14.17 28.23,99.3 28.35,99.42 30.1,99.42 30.23,99.29 33.4,99.29 33.91,99.8 34.8,99.8 36.7,97.89 37.08,97.89 38.1,96.88 39.12,96.88 39.75,96.24 40.22,96.24 U5.M18
MDIO_DATA: length 15
  TOP w0.121: U5.M17 40.72,95.94 39.67,95.94 38.99,96.62 37.97,96.62 36.96,97.64 36.58,97.64 34.78,99.43 34.05,99.43 33.66,99.03 33.66,98.59 33.37,98.3 31.85,98.3 R119.2 30.73,98.78 30.23,98.27 29.72,98.27 29.44,97.99 U14.16
MII1_COL: length 24.2
  TOP w0.121: v1(41.52,92.74) U5.H16
  LYR3 w0.133: v1(41.52,92.74) 41.19,93.07 34.04,93.07 33.91,92.94 33.91,91.8 33.78,91.67 31.24,91.67 31.11,91.54 31.11,90.4 31.24,90.27 32.26,90.27 32.38,90.4 32.38,91.03 32.51,91.16 v1(33.15,91.16)
  BOTTOM w0.121: R138.1 32.83,97.38 33.24,97.38 33.55,97.08 33.55,95.97 33.91,95.61 33.91,91.92 v1(33.15,91.16)
MII1_CRS_DV: length 25.6
  TOP w0.121: v1(38.23,93.54) 40.72,93.54 U5.H17 ; R139.1 v1(33.15,97.83)
  BOTTOM w0.121: v1(38.23,93.54) 37.83,93.14 37.83,89.61 37.73,89.51 37.57,89.51 37.46,89.61 37.46,95.22 37.21,95.48 34.36,95.48 34.26,95.58 34.26,95.69 34.36,95.8 36.35,95.8 36.45,95.9 36.45,96.01 36.35,96.11 33.9,96.11 33.79,96.22 33.79,98.17 33.69,98.27 33.25,98.27 33.15,98.17 v1(33.15,97.83)
MII1_REFCLK: length 18.5
  TOP w0.121: R28.2 35.18,92.56 35.31,92.43 36.37,92.43 36.48,92.33 36.48,92.15 36.37,92.05 35.26,92.05 35.18,91.97 35.18,91.74 35.26,91.67 36.37,91.67 36.45,91.59 36.45,91.36 36.37,91.29 35.26,91.29 35.18,91.21 35.18,90.98 35.31,90.86 35.61,90.86 35.7,90.77 35.7,90.6 35.57,90.47 35.28,90.47 35.18,90.37 35.18,90.09 35.1,90.02 33.99,90.02 33.91,90.09 33.91,90.32 33.99,90.4 34.72,90.4 34.8,90.47 34.8,90.7 34.72,90.78 33.99,90.78 33.91,90.86 33.91,91.07 33.99,91.14 34.72,91.14 34.82,91.24 34.82,91.97 34.7,92.09 34.08,92.09 33.86,91.87 33.86,91.74 33.73,91.61 33.6,91.61 33.5,91.7 33.5,92.08 33.4,92.18 33.21,92.18 v1(33.15,92.11) 33.08,92.05 R124.1
  BOTTOM w0.121: v1(33.15,92.11) 33.15,91.92 R140.1
MII1_RXCLK: length 23.8
  TOP w0.121: v1(33.15,95.92) 33.15,95.58 33.25,95.48 33.59,95.48 33.91,95.16 33.91,94.46 34.04,94.34 34.73,94.34 34.86,94.46 34.86,96.9 34.76,97 34.58,97 34.48,96.9 34.48,95.71 34.38,95.61 34.26,95.61 34.16,95.71 34.16,97.53 34.06,97.63 33.67,97.63 33.55,97.76 33.55,97.89 33.66,98 34.69,98 34.82,98.13 34.82,98.55 34.92,98.65 35.18,98.65 36.45,97.38 36.83,97.38 37.85,96.37 38.86,96.37 39.69,95.54 U5.L18